# Altium PCB tc377_pcb_rev1.PcbDoc (part 2 of 2)
Units mm, origin at the board's own origin, x right, y up, seen from the top; angles counter-clockwise.
Board outline 133.94 x 51.18 mm, 2 copper layers (Top Layer, Bottom Layer); 100 components, 89 nets, 462 pads, 300 vias.
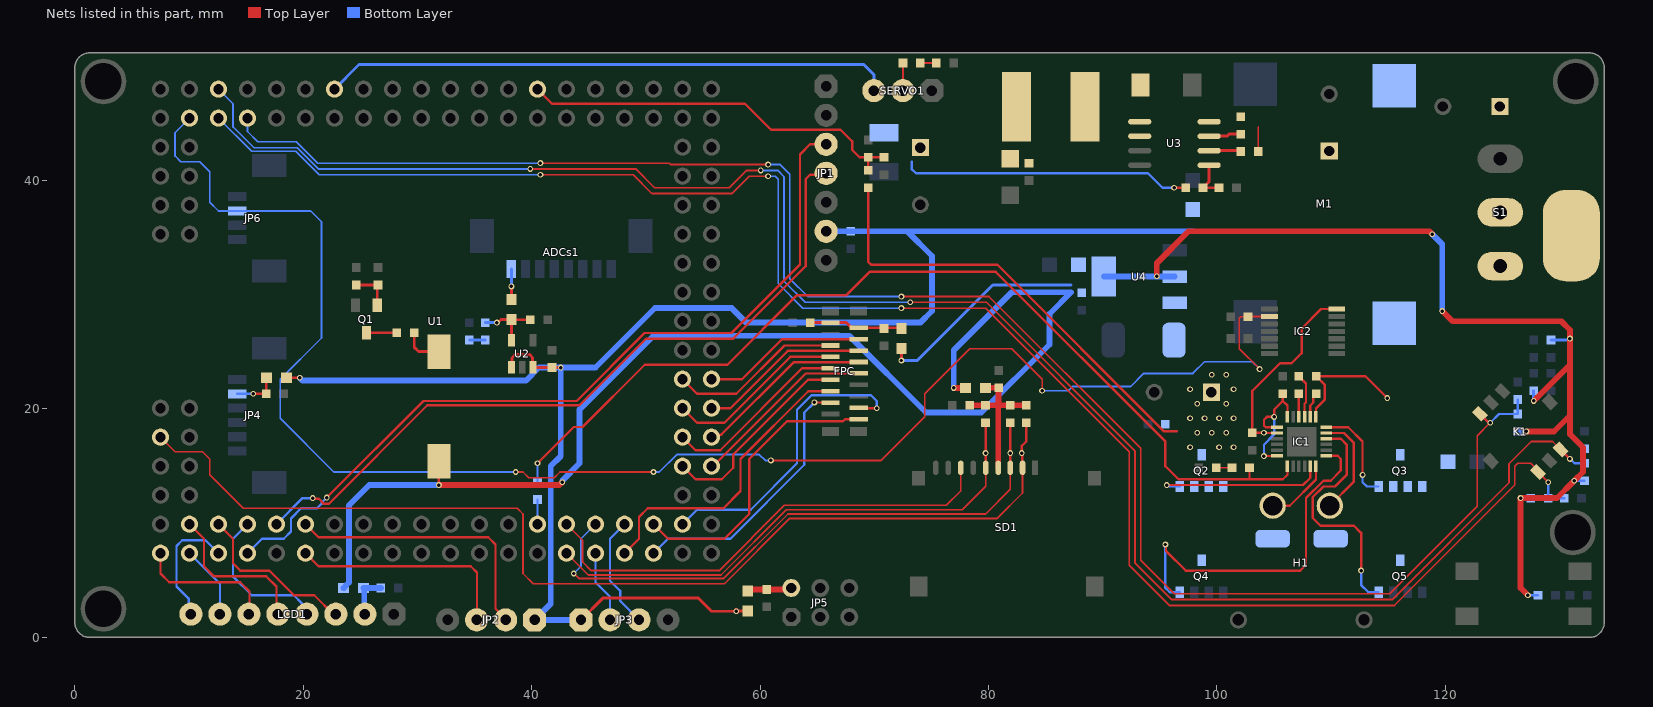
[diagram p2: the nets of this part, all layers, seen from the top]

## Via types
v1: diameter 0.508, hole 0.305, Top Layer to Bottom Layer, tented both sides, 298 vias
v2: diameter 1.1, hole 1.1, Top Layer to Bottom Layer, tented both sides, 1 vias
v3: diameter 0.8, hole 0.8, Top Layer to Bottom Layer, tented both sides, 1 vias

## Nets (pads, with @x,y where several pads share a name; then routed paths per layer and width w, separated by ;. In a path a pad name is that pad's centre, name@x,y a point inside that pad or via, vN(x,y) a via of type N, cw(c..) or ccw(c..) an arc to the next point about the centre after c; other vN are vias at no path point) (continued)
KEY4: C13.1 K1.3 R11.2 U1.34 | length 152.9
  Top Layer w0.152: v1(40.767,41.529) 52.07,41.529 52.197,41.402 v1(60.706,41.402) ; v1(72.39,29.845) 80.05,29.845 93.345,16.55 93.345,6.735 96.27,3.81 115.149,3.81 122.809,11.47 122.809,17.653 123.888,18.733 v1(123.952,18.796)
  Top Layer w0.203: K1.3@123.042,19.579 123.767,18.854 123.894,18.854 v1(123.952,18.796)
  Bottom Layer w0.152: U1.34@15.113,45.466 15.113,44.298 16.002,43.409 19.388,43.409 21.268,41.529 v1(40.767,41.529) ; v1(60.706,41.402) 61.762,41.402 62.611,40.553 62.611,31.409 64.175,29.845 v1(72.39,29.845)
  Bottom Layer w0.203: v1(123.952,18.796) 124.714,19.558 R11.2@126.365,19.558 C13.1@126.365,20.828
KEY5: C14.1 K1.6 R13.2 U1.35 | length 160.5
  Top Layer w0.152: v1(39.878,41.021) 49.105,41.021 50.756,39.37 57.321,39.37 58.845,40.894 v1(60.071,40.894) ; v1(73.152,29.337) 79.839,29.337 92.837,16.339 92.837,6.524 96.059,3.302 115.36,3.302 125.603,13.545 125.603,15.196 127.552,17.145 129.413,17.145 K1.6@129.921,16.637
  Top Layer w0.203: K1.6@130.123,16.458 130.123,16.435 v1(130.937,15.621)
  Bottom Layer w0.152: U1.35@12.573,48.006 13.843,46.736 13.843,44.704 15.679,42.868 19.462,42.868 21.31,41.021 v1(39.878,41.021) ; v1(60.071,40.894) 61.551,40.894 62.103,40.342 62.103,31.198 63.964,29.337 v1(73.152,29.337)
  Bottom Layer w0.203: v1(130.937,15.621) 130.965,15.621 131.346,15.24 R13.2@132.207,15.24 C14.1@132.207,16.51 C14.1@132.207,16.764
KEY6: C15.1 K1.4 R14.2 U1.36 | length 155.9
  Top Layer w0.152: v1(40.767,40.513) 48.895,40.513 50.546,38.862 57.531,38.862 59.055,40.386 v1(60.706,40.386) ; v1(72.39,28.829) 79.756,28.829 92.329,16.256 92.329,6.314 95.849,2.794 115.57,2.794 126.111,13.335 126.111,14.986 126.365,15.24 127.508,15.24 K1.4@128.016,14.732
  Top Layer w0.203: K1.4@128.143,14.478 v1(129.032,13.589)
  Bottom Layer w0.152: U1.36@12.573,45.466 15.475,42.564 19.336,42.564 21.387,40.513 v1(40.767,40.513) ; v1(60.706,40.386) 61.341,40.386 61.595,40.132 61.595,30.988 63.754,28.829 v1(72.39,28.829)
  Bottom Layer w0.203: v1(129.032,13.589) R14.2@129.032,12.192 C15.1@130.429,12.192
M1A: H1.1 IC1.23 P5.1 Q3.1 Q3.2 Q3.3 Q5.5 | length 9.1
  Top Layer w0.203: IC1.23@109.601,17.895 111.137,17.895 112.014,17.018 112.014,13.635 H1.1@109.903,11.524
M1B: H1.2 IC1.18 P6.1 Q2.1 Q2.2 Q2.3 Q4.5 | length 5.9
  Top Layer w0.203: H1.2@104.903,11.524 106.393,11.524 108.692,13.823 IC1.18@108.692,14.986
NetADCs1_1: ADCs1.1 FB1.1 | length 2.7
  Top Layer w0.254: FB1.1@38.227,29.591 v1(38.227,30.734)
  Bottom Layer w0.254: ADCs1.1@38.22,32.258 38.227,32.251 v1(38.227,30.734)
NetBeep1_2: Beep1.2 R9.2 | length 3.6
  Top Layer w0.254: R9.2@29.718,26.67 29.718,25.4 30.099,25.019 Beep1.2@31.877,25.019
NetC1_1: C1.1 FB2.2 LCD1.2 | length 3.9
  Bottom Layer w0.508: LCD1.2@25.4,2.032 25.336,2.095 25.336,4.255 FB2.2@25.273,4.318 C1.1@26.797,4.318
NetC4_2: C4.2 C5.2 FB3.2 R2.2 R3.2 R4.2 SD1.4 | length 13.3
  Top Layer w0.508: C4.2@78.359,20.32 R4.2@79.756,20.32 80.835,20.32 ; FB3.2@79.629,21.857 79.635,21.85 80.893,21.85 C5.2@80.899,21.844 80.899,20.383 80.835,20.32 ; SD1.4@80.861,14.846 80.861,20.295 80.835,20.32 ; R3.2@83.312,20.32 R2.2@81.915,20.32 80.835,20.32
NetC6_1: C6.1 C7.1 FB4.1 FPC.17 FPC.18 | length 8.1
  Top Layer w0.254: C7.1@64.389,27.559 C7.1@64.389,27.559 FPC.18@66.167,27.558 67.589,27.558 68.037,27.11 FPC.17@68.637,27.11 70.866,27.11 72.204,27.11 FB4.1@72.263,27.051
NetC8_2: C8.2 FB5.1 JP4.2 | length 4
  Top Layer w0.203: v1(15.621,21.336) C8.2@16.764,21.336 FB5.1@16.764,22.733
  Bottom Layer w0.203: JP4.2@14.207,21.32 14.224,21.336 v1(15.621,21.336)
NetC9_1: C9.1 FB6.2 JP5.2 | length 3.9
  Top Layer w0.508: FB6.2@58.928,4.051 59.061,4.185 60.579,4.185 62.605,4.185 JP5.2@62.738,4.318
NetC29_1: C29.1 IC1.4 | length 2
  Top Layer w0.203: C29.1@107.188,21.336 107.188,19.308 IC1.4@107.192,19.304
NetC29_2: C29.2 IC1.3 | length 3.9
  Top Layer w0.203: C29.2@107.188,22.86 107.823,22.225 107.823,20.574 107.696,20.447 107.696,19.308 IC1.3@107.692,19.304
NetC30_1: C30.1 IC1.2 | length 2.2
  Top Layer w0.203: IC1.2@108.192,19.304 108.192,20.308 108.458,20.574 108.458,21.082 C30.1@108.712,21.336
NetD1_1: D1.1 R1.1 | length 1.4
  Bottom Layer w0.254: D1.1@34.544,26.035 R1.1@35.941,26.035
NetD2_1: D2.1 R18.2 | length 1.4
  Top Layer w0.203: R18.2@74.041,50.292 D2.1@75.438,50.292
NetD3_2: D3.2 L1.1 U3.5 U3.6
NetD4_1: D4.1 R22.2 | length 1.4
  Top Layer w0.152: D4.1@99.822,14.859 R22.2@101.219,14.859
NetIC1_17: IC1.17 Q2.4 | length 15
  Top Layer w0.203: v1(95.631,13.335) 107.569,13.335 108.192,13.958 IC1.17@108.192,14.986
  Bottom Layer w0.203: v1(95.631,13.335) 95.713,13.335 95.84,13.208 Q2.4@96.774,13.208
NetIC1_19: IC1.19 Q4.4 | length 31.3
  Top Layer w0.203: v1(95.504,8.128) 95.555,8.077 95.555,7.569 97.282,5.842 107.315,5.842 107.823,6.35 107.823,12.192 109.347,13.716 109.982,13.716 110.871,14.605 110.871,15.621 110.597,15.895 IC1.19@109.601,15.895
  Bottom Layer w0.203: v1(95.504,8.128) 95.504,4.318 95.885,3.937 Q4.4@96.774,3.936 Q4.4@96.774,3.936
NetIC1_22: IC1.22 Q5.4 | length 21.4
  Top Layer w0.203: IC1.22@109.601,17.395 110.875,17.395 111.379,16.891 111.379,14.224 110.363,13.208 109.347,13.208 108.415,12.276 108.415,10.457 109.093,9.779 112.014,9.779 112.649,9.144 v1(112.649,5.842)
  Bottom Layer w0.203: v1(112.649,5.842) 112.649,4.572 113.284,3.937 Q5.4@114.173,3.936 Q5.4@114.173,3.936
NetIC1_24: IC1.24 Q3.4 | length 8.8
  Top Layer w0.203: IC1.24@109.601,18.395 111.526,18.395 112.776,17.145 v1(112.776,14.224)
  Bottom Layer w0.203: v1(112.776,14.224) 112.776,13.589 113.157,13.208 Q3.4@114.173,13.208
NetQ1_1: Q1.1 R12.2 R15.1 | length 3.7
  Top Layer w0.254: R12.2@24.638,30.861 R15.1@26.543,30.861 26.477,30.795 Q1.1@26.477,29.07
NetQ1_3: Q1.3 R9.1 | length 2.7
  Top Layer w0.254: Q1.3@25.527,26.67 R9.1@28.194,26.67
NetR19_2: R19.2 U3.2 | length 2.8
  Top Layer w0.254: U3.2@99.332,42.619 102.034,42.619 R19.2@102.108,42.545
NetR20_2: R20.2 U3.3 | length 2.9
  Top Layer w0.254: U3.3@99.332,43.889 100.912,43.889 101.092,44.069 R20.2@102.108,44.069
NetR21_1: R21.1 U1.83 | length 2.2
  Bottom Layer w0.203: U1.83@40.513,9.906 R21.1@40.513,12.065
nSLEEP: IC1.13 R21.2 R22.1 | length 85
  Top Layer w0.203: v1(40.513,15.24) 43.688,18.415 44.45,18.415 49.911,23.876 57.15,23.876 63.246,29.972 67.564,29.972 69.596,32.004 80.645,32.004 95.504,17.145 95.504,14.986 96.647,13.843 102.87,13.843 ; R22.1@102.87,14.859 102.87,13.843 ; IC1.13@106.192,14.986 106.192,14.244 105.791,13.843 102.87,13.843
  Bottom Layer w0.203: R21.2@40.513,13.589 v1(40.513,15.24)
P3V3: Beep1.1 C26.2 C27.2 FB2.1 FB3.1 FB4.2 R7.1 R8.1 R10.1 R11.1 R13.1 R14.1 U4.2 | length 220.5
  Top Layer w0.203: v1(31.877,13.335) Beep1.1@31.877,15.419
  Top Layer w0.254: v1(72.39,24.244) FB4.2@72.39,25.286
  Top Layer w0.508: v1(31.877,13.335) 42.418,13.335 v1(42.672,13.589) ; v1(76.962,21.844) FB3.1@77.991,21.844 ; v1(94.742,31.623) 94.742,32.766 97.536,35.56 118.618,35.56 v1(118.872,35.306) ; v1(119.761,28.575) 120.65,27.686 130.175,27.686 130.937,26.924 v1(130.937,26.162) 130.937,23.876 ; v1(127.127,18.034) 129.54,18.034 130.937,19.431 ; v1(127.254,3.683) 126.619,4.318 v1(126.619,12.192) 129.794,12.192 v1(131.318,13.716) 132.08,14.478 132.08,16.637 130.937,17.78 130.937,19.431 ; v1(127.762,20.701) 130.937,23.876 ; 130.937,19.431 130.937,23.876
  Bottom Layer w0.203: v1(126.619,12.192) R14.1@127.508,12.192 ; v1(127.254,3.683) R7.1@128.143,3.683 ; v1(131.318,13.716) R13.1@132.207,13.716
  Bottom Layer w0.254: v1(72.39,24.244) 73.774,24.244 80.391,30.861 87.249,30.861 ; R11.1@126.365,18.034 v1(127.127,18.034) ; v1(127.762,20.701) R8.1@127.762,21.59 ; R10.1@129.286,26.035 130.741,26.035 130.868,26.162 v1(130.937,26.162)
  Bottom Layer w0.508: FB2.1@23.52,4.318 23.558,4.318 23.749,4.508 23.749,4.552 24.003,4.806 24.003,11.557 25.781,13.335 v1(31.877,13.335) ; v1(42.672,13.589) 42.672,13.716 44.196,15.24 44.196,19.939 50.673,26.416 67.818,26.416 74.549,19.685 79.375,19.685 85.344,25.654 85.344,28.321 87.249,30.226 82.042,30.226 76.962,25.146 v1(76.962,21.844) ; U4.2@90.118,31.589 U4.2@96.318,31.589 ; v1(118.872,35.306) 119.761,34.417 v1(119.761,28.575)
P3V3_DRV: C34.1 IC1.8 IC2.14 | length 17.5
  Top Layer w0.203: IC1.8@105.283,17.895 105.277,17.901 104.146,17.901 v1(104.14,17.907) C34.1@103.124,17.907 103.124,21.59 105.537,24.003 106.553,24.003 107.442,24.892 107.442,27.051 109.138,28.747 IC2.14@110.507,28.747
P3V_Sensor: C2.2 FB1.2 R1.2 U2.5 | length 5.9
  Top Layer w0.254: v1(36.957,27.559) 37.026,27.559 37.305,27.838 FB1.2@38.227,27.838 ; U2.5@38.227,26.035 FB1.2@38.227,27.838 ; C2.2@39.878,27.813 38.252,27.813 FB1.2@38.227,27.838
  Bottom Layer w0.254: R1.2@35.941,27.559 v1(36.957,27.559)
P4V8: C33.1 IC1.6 IC1.7 IC1.12 | length 11.6
  Top Layer w0.203: v1(104.14,15.875) 104.15,15.885 105.273,15.885 IC1.12@105.283,15.895 ; IC1.7@105.283,18.395 104.287,18.395 104.14,18.542 104.14,19.05 104.394,19.304 v1(105.029,19.304) 105.029,19.939 105.791,20.701 ; C33.1@105.791,21.336 105.791,20.701 ; IC1.6@106.192,19.304 106.192,20.3 105.791,20.701
  Bottom Layer w0.203: v1(104.14,15.875) 104.14,16.869 105.029,17.758 v1(105.029,19.304)
P5V: C3.1 C23.1 C24.2 C25.2 FB5.2 FB6.1 JP1.6 JP2.1 JP3.1 M1.3 U2.1 U2.3 U4.3 | length 149.4
  Top Layer w0.254: FB5.2@18.517,22.733 v1(19.685,22.733) ; U2.1@38.227,23.635 38.273,23.681 38.273,24.467 38.571,24.765 39.834,24.765 40.081,24.518 40.081,23.681 U2.3@40.127,23.635 40.14,23.622 C3.1@41.783,23.622 v1(42.545,23.622) ; JP3.1@44.323,1.524 46.228,3.429 54.61,3.429 55.753,2.286 v1(57.912,2.286) ; v1@57.925,2.299 FB6.1@58.928,2.299
  Top Layer w0.508: v1(57.912,2.286) v1@57.925,2.299
  Bottom Layer w0.508: v1(19.685,22.733) 19.939,22.479 39.497,22.479 40.64,23.622 v1(42.545,23.622) ; JP3.1@44.323,1.524 JP2.1@40.259,1.524 41.669,2.934 41.669,14.993 42.545,15.868 v1(42.545,23.622) ; JP1.6@65.786,35.56 C25.2@67.945,35.56 72.898,35.56 ; 97.917,35.56 72.898,35.56 ; v1(42.545,23.622) 45.593,23.622 50.813,28.842 56.232,28.842 56.245,28.829 57.531,28.829 58.801,27.559 74.041,27.559 75.057,28.575 75.057,33.401 72.898,35.56
P6V_servo: C18.1 C19.1 C20.1 C21.1 L1.2 R17.1 R18.1 SERVO1.2 | length 27.7
  Top Layer w0.203: SERVO1.2@72.517,47.879 R18.1@72.517,50.292
  Top Layer w0.254: v1(96.266,39.37) R17.1@97.282,39.37
  Bottom Layer w0.203: 73.279,41.656 73.279,41.021 73.66,40.64 93.98,40.64 95.25,39.37 v1(96.266,39.37)
PLCK: FPC.1 U1.91 | length 25.7
  Top Layer w0.203: U1.91@50.673,9.906 51.943,8.636 56.896,8.636 59.055,10.795 59.055,15.621 62.357,18.923 67.277,18.923 67.464,19.11 FPC.1@68.637,19.11
PMAIN: C16.1 C17.1 C22.1 C30.2 C31.1 C32.1 IC1.1 M1.2 Q2.5 Q3.5 R5.1 R19.1 R20.1 S1.1 U3.4 | length 53
  Top Layer w0.152: R19.1@103.632,42.545 103.632,44.704
  Top Layer w0.203: R5.1@69.469,39.37 69.469,32.893 69.723,32.639 80.772,32.639 95.377,18.034 96.52,18.034 ; IC1.1@108.692,19.304 108.692,20.046 109.474,20.828 109.474,22.098 C30.2@108.712,22.86 113.03,22.86 v1(114.935,20.955)
  other v1: 97.663,16.637 100.203,16.637 101.473,16.637 98.298,17.907 99.568,17.907 100.838,17.907 97.663,19.177 98.933,19.177 100.203,19.177 101.473,19.177 98.298,20.447 100.838,20.447 97.663,21.717 101.473,21.717 99.568,22.987 100.838,22.987
PVIN: P1.1 S1.2
PWM: IC2.2 JP6.2 R24.1 U1.38 | length 144.9
  Top Layer w0.152: v1(38.608,14.478) 39.243,14.478 39.751,13.97 41.974,13.97 42.482,14.478 v1(50.673,14.478) ; v1(60.96,15.494) 70.612,15.494 74.422,19.304 74.422,21.336 78.359,25.273 82.042,25.273 84.709,22.606 v1@84.709,21.593 ; R24.1@102.743,28.067 102.108,28.067 101.981,27.94 101.981,25.273 v1(103.759,23.495)
  Top Layer w0.203: R24.1@102.743,28.067 102.773,28.097 IC2.2@104.631,28.097
  Bottom Layer w0.152: U1.38@10.033,45.466 8.763,44.196 8.763,42.164 9.271,41.656 10.922,41.656 11.811,40.767 11.811,38.1 12.569,37.342 JP6.2@14.207,37.342 14.211,37.338 20.651,37.338 21.59,36.399 21.59,26.212 17.983,22.605 17.983,19.178 22.683,14.478 v1(38.608,14.478) ; v1(50.673,14.478) 51.181,14.478 52.705,16.002 59.944,16.002 60.452,15.494 v1(60.96,15.494) ; v1(84.709,21.59) 86.995,21.59 87.376,21.971 92.456,21.971 93.599,23.114 97.917,23.114 98.933,24.13 103.124,24.13 v1(103.759,23.495)
SCL: FPC.3 U1.93 | length 26.9
  Top Layer w0.203: FPC.3@68.637,20.11 68.681,20.066 v1(70.231,20.066)
  Bottom Layer w0.203: U1.93@53.213,9.906 54.483,11.176 59.182,11.176 63.246,15.24 63.246,19.939 64.516,21.209 69.723,21.209 70.231,20.701 v1(70.231,20.066)
SDA: FPC.4 U1.92 | length 23.6
  Top Layer w0.203: v1(64.77,20.574) 64.778,20.566 66.159,20.566 FPC.4@66.167,20.558
  Bottom Layer w0.203: U1.92@50.673,7.366 51.943,8.636 57.404,8.636 63.881,15.113 63.881,19.685 v1(64.77,20.574)
SERVO_PWM: SERVO1.3 U1.27 | length 49.9
  Bottom Layer w0.254: U1.27@22.733,48.006 24.892,50.165 69.088,50.165 69.977,49.276 SERVO1.3@69.977,47.879
TF_CS: R3.1 SD1.2 U1.52 | length 94.3
  Top Layer w0.152: U1.52@7.493,17.526 8.763,16.256 11.176,16.256 11.811,15.621 11.811,14.224 14.732,11.303 38.735,11.303 39.243,10.795 39.243,8.255 39.243,5.588 40.132,4.699 56.896,4.699 62.611,10.414 80.772,10.414 82.994,12.636 SD1.2@82.994,14.846
  Top Layer w0.203: SD1.2@82.994,14.846 82.963,14.878 82.963,16.097 v1(82.931,16.129) 82.931,16.764 83.312,17.145 R3.1@83.312,18.796
TF_DI: R2.1 SD1.3 U1.87 | length 52.6
  Top Layer w0.152: v1(43.688,5.588) 44.12,5.156 56.814,5.156 62.453,10.795 79.756,10.795 81.928,12.967 SD1.3@81.928,14.846
  Top Layer w0.203: R2.1@81.915,18.796 81.928,18.783 SD1.3@81.928,14.846
  Bottom Layer w0.152: v1(43.688,5.588) 44.323,6.223 44.323,8.636 U1.87@45.593,9.906
  other v1: 81.915,16.129
TF_DO: SD1.7 U1.85 | length 42.3
  Top Layer w0.152: U1.85@43.053,9.906 44.45,8.509 44.45,6.604 45.212,5.842 56.423,5.842 62.138,11.557 76.327,11.557 77.584,12.814 SD1.7@77.584,14.846
TF_SCLK: R4.1 SD1.5 U1.86 | length 46.3
  Top Layer w0.152: U1.86@43.053,7.366 44.958,5.461 56.58,5.461 62.295,11.176 77.724,11.176 79.769,13.221 SD1.5@79.769,14.846
  Top Layer w0.203: R4.1@79.756,18.796 79.769,18.783 79.769,16.129 SD1.5@79.769,14.846
  other v1: 79.756,16.129
TFT_BLK: LCD1.8 U1.62 | length 10.9
  Bottom Layer w0.203: LCD1.8@10.16,2.032 9.982,2.21 9.982,3.353 8.89,4.445 8.89,8.001 9.398,8.509 11.43,8.509 U1.62@12.573,7.366
TFT_CS: LCD1.7 U1.60 | length 6.4
  Bottom Layer w0.203: U1.60@10.033,7.366 12.7,4.699 LCD1.7@12.7,2.032
TFT_DC: LCD1.6 U1.58 | length 12.2
  Top Layer w0.203: U1.58@7.493,7.366 7.493,5.588 8.255,4.826 14.478,4.826 15.283,4.021 15.283,2.075 LCD1.6@15.24,2.032
TFT_RES: LCD1.5 U1.59 | length 13.8
  Top Layer w0.203: U1.59@10.033,9.906 11.303,8.636 11.303,6.223 12.192,5.334 16.764,5.334 17.653,4.445 17.653,2.159 LCD1.5@17.78,2.032
TFT_SCL: LCD1.3 U1.61 | length 14.8
  Top Layer w0.203: U1.61@12.573,9.906 13.843,8.636 13.843,6.477 14.478,5.842 17.018,5.842 19.177,3.683 20.955,3.683 22.606,2.032 LCD1.3@22.86,2.032
TFT_SDA: LCD1.4 U1.63 | length 13.2
  Bottom Layer w0.203: U1.63@15.113,9.906 13.843,8.636 13.843,5.334 15.494,3.683 19.164,3.683 19.837,3.01 20.32,2.527 LCD1.4@20.32,2.032
UART_2.4G_RX: JP1.4 U1.65 | length 65.7
  Top Layer w0.203: v1(20.828,12.192) 20.886,12.134 21.375,12.134 21.825,11.684 22.225,11.684 30.861,20.32 44.196,20.32 50.038,26.162 57.658,26.162 64.008,32.512 64.008,40.132 64.389,40.513 65.659,40.513 JP1.4@65.786,40.64
  Bottom Layer w0.203: U1.65@17.653,9.906 19.939,12.192 v1(20.828,12.192)
UART_2.4G_TX: JP1.3 U1.64 | length 71.9
  Top Layer w0.203: v1(22.056,12.234) 30.524,20.701 43.942,20.701 49.886,26.645 57.506,26.645 63.5,32.639 63.5,42.291 64.389,43.18 JP1.3@65.786,43.18
  Bottom Layer w0.203: U1.64@15.113,7.366 16.383,8.636 18.288,8.636 18.923,9.271 18.923,10.414 19.812,11.303 21.209,11.303 21.603,11.697 21.603,11.781 v1(22.056,12.234)
UART_DBG_RX: JP2.3 U1.68 | length 19.9
  Top Layer w0.203: U1.68@20.193,7.366 21.336,6.223 34.671,6.223 35.222,5.672 35.222,1.567 JP2.3@35.179,1.524
UART_DBG_TX: JP2.2 U1.67 | length 24.3
  Top Layer w0.203: U1.67@20.193,9.906 21.336,8.763 36.195,8.763 36.83,8.128 36.83,2.503 37.719,1.614 JP2.2@37.719,1.524
UART_IMG_RX: JP3.3 U1.89 | length 10
  Bottom Layer w0.203: U1.89@48.133,9.906 46.863,8.636 46.863,4.953 47.752,4.064 47.752,3.175 JP3.3@49.403,1.524
UART_IMG_TX: JP3.2 U1.88 | length 6.4
  Bottom Layer w0.203: U1.88@45.593,7.366 45.593,4.826 46.863,3.556 JP3.2@46.863,1.524
VBAT: C28.2 R5.2 R6.1 U1.13 | length 34.4
  Top Layer w0.203: U1.13@40.513,48.006 41.783,46.736 58.674,46.736 60.96,44.45 67.056,44.45 68.072,43.434 68.072,42.672 68.707,42.037 R6.1@69.469,42.037 ; R5.2@69.469,40.894 R6.1@69.469,42.037 ; C28.2@70.866,42.037 R6.1@69.469,42.037
Vservo_fb: R16.1 R17.2 U3.1 | length 3.6
  Top Layer w0.254: U3.1@99.332,41.349 99.332,39.896 R17.2@98.806,39.37 R16.1@100.203,39.37
VSYN: FPC.6 U1.90 | length 26.7
  Top Layer w0.203: U1.90@48.133,7.366 49.403,8.636 49.403,10.541 50.165,11.303 56.794,11.303 58.293,12.802 58.293,15.621 64.23,21.558 FPC.6@66.167,21.558
Y0: FPC.8 U1.99 | length 17.7
  Top Layer w0.203: U1.99@53.213,14.986 54.356,13.843 56.642,13.843 57.658,14.859 57.658,16.002 64.214,22.558 FPC.8@66.167,22.558
Y1: FPC.9 U1.100 | length 16.2
  Top Layer w0.203: U1.100@55.753,14.986 55.88,14.986 63.998,23.104 68.631,23.104 FPC.9@68.637,23.11
Y2: FPC.10 U1.101 | length 16.4
  Top Layer w0.203: U1.101@53.213,17.526 54.356,16.383 56.515,16.383 63.69,23.558 FPC.10@66.167,23.558
Y3: FPC.11 U1.102 | length 15.6
  Top Layer w0.203: U1.102@55.753,17.526 55.978,17.751 56.613,17.751 62.966,24.104 68.631,24.104 FPC.11@68.637,24.11
Y4: FPC.12 U1.103 | length 15.9
  Top Layer w0.203: U1.103@53.213,20.066 54.483,18.796 56.896,18.796 62.658,24.558 FPC.12@66.167,24.558
Y5: FPC.13 U1.104 | length 15
  Top Layer w0.203: U1.104@55.753,20.066 57.404,20.066 62.442,25.104 68.631,25.104 FPC.13@68.637,25.11
Y6: FPC.14 U1.105 | length 15.2
  Top Layer w0.203: U1.105@53.213,22.606 54.483,21.336 57.912,21.336 62.134,25.558 FPC.14@66.167,25.558
Y7: FPC.15 U1.106 | length 14.3
  Top Layer w0.203: U1.106@55.753,22.606 58.42,22.606 61.918,26.104 68.631,26.104 FPC.15@68.637,26.11
pads on no net: ADCs1.MP1 ADCs1.MP2 FPC.0 FPC.5 H1.0 IC1.9 IC1.10 IC1.11 IC2.8 IC2.9 IC2.10 IC2.11 IC2.12 IC2.13 JP1.5 JP4.0 JP5.5 JP5.6 JP6.0 JP6.4 K1.0 S1.3 SD1.0 SD1.1 SD1.8 SD1.9 U1.1 U1.2 U1.3 U1.4 U1.5 U1.6 U1.14 U1.15 U1.16 U1.17 U1.18 U1.19 U1.20 U1.21 U1.22 U1.23 U1.24 U1.25 U1.26 U1.29 U1.30 U1.37 U1.40 U1.41 U1.42 U1.43 U1.44 U1.45 U1.46 U1.47 U1.48 U1.49 U1.50 U1.51 U1.53 U1.66 U1.69 U1.70 U1.71 U1.72 U1.73 U1.74 U1.75 U1.76 U1.77 U1.78 U1.79 U1.80 U1.81 U1.82 U1.84 U1.94 U1.95 U1.96 U1.97 U1.107 U1.109 U1.110 U1.111 U1.112 U1.113 U1.114 U1.115 U1.116 U1.117 U1.118 U1.119 U1.120 U1.121 U1.122 U2.4
copper on no net:
  other v2: 125.245,16.68
  other v3: 127.932,19.367

## Polygon pours and split planes (outlines as drawn)
GND on Top Layer "GND_L01_P016" (solid, remove dead copper, pour order 16): 0,51.181 0,0 133.985,0 133.985,51.181
PVIN on Top Layer "PVIN_L01_P012" (solid, pour order 12): 122.555,38.608 122.555,36.195 123.571,35.179 127.254,35.179 128.143,34.29 128.143,31.242 129.54,29.845 133.985,29.845 133.985,39.624 123.571,39.624
PMAIN on Top Layer "PMAIN_L01_P010" (solid, pour order 10): 107.696,44.577 108.585,43.688 108.585,41.783 108.966,41.402 110.744,41.402 111.125,41.783 111.125,43.561 111.506,43.942 118.618,43.942 119.761,42.799 119.761,34.29 119.634,34.163 122.047,34.163 122.047,42.926 122.809,43.688 125.984,43.688 126.365,44.069 126.365,47.117 125.73,47.752 123.698,47.752 123.19,47.244 123.19,45.847 122.936,45.593 104.14,45.593 103.505,46.228 99.314,46.228 98.679,45.593 98.171,45.593 98.044,45.466 98.044,44.704 98.171,44.577
PMAIN on Top Layer "PMAIN_L01_P009" (solid, pour order 9): 102.489,19.177 102.489,22.987 100.076,25.4 100.076,29.21 101.219,30.353 127,30.353 127.635,30.988 127.635,33.528 126.746,34.417 98.425,34.417 96.393,32.385 96.393,21.209 96.393,16.637 97.282,15.748 101.727,15.748 102.489,16.51
P6V_servo on Top Layer "P6V_SERVO_L01_P004" (solid, pour order 4): 80.772,43.307 80.772,41.148 81.026,40.894 83.947,40.894 84.201,41.148 84.201,43.307 83.82,43.688
GND on Top Layer "GND_L01_P003" (solid, pour order 3): 79.883,39.243 81.407,40.767 89.662,40.767 92.075,43.18 94.742,43.18 94.996,43.434 94.996,47.879 97.028,49.911 98.933,49.911 99.314,49.53 99.314,46.228 98.806,45.72 98.298,45.72 98.044,45.466 98.044,41.021 97.409,40.386 94.996,40.386 92.202,37.592 76.327,37.592 75.438,36.703 72.39,36.703 71.755,37.338 71.755,38.735 72.263,39.243
P6V_servo on Top Layer "P6V_SERVO_L01_P001" (solid, pour order 1): 80.772,49.784 77.089,46.101 74.422,46.101 73.787,46.736 73.787,48.641 73.279,49.149 71.755,49.149 71.247,48.641 71.247,46.482 72.898,44.831 72.898,42.037 73.152,41.783 75.057,41.783 75.311,42.037 75.311,42.799 75.692,43.18 81.026,43.18 83.82,43.18 84.074,43.434 84.074,49.403 83.693,49.784
NetD3_2 on Top Layer "NETD3_2_L01_P000" (solid, pour order 0): 91.694,43.053 91.948,43.307 94.488,43.307 94.869,43.688 94.869,49.276 94.488,49.657 86.995,49.657 86.868,49.53 86.868,43.434 87.249,43.053
P5V on Bottom Layer "P5V_L02_P018" (solid, pour order 18): 94.742,29.591 95.631,30.48 97.536,30.48 97.917,30.861 97.917,34.417 96.774,35.56 96.774,38.1 97.155,38.481 102.87,38.481 107.061,34.29 116.586,34.29 117.729,33.147 117.729,25.654 117.348,25.273 113.919,25.273 113.411,25.781 113.411,30.48 112.268,31.623 102.616,31.623 97.79,26.797 97.79,24.765 97.282,24.257 95.25,24.257 94.742,24.765
PMAIN on Bottom Layer "PMAIN_L02_P017" (solid, pour order 17): 121.793,32.004 121.793,35.179 113.538,43.434 113.538,50.165 113.792,50.419 117.475,50.419 117.856,50.038 117.856,45.974 123.444,40.386 127,40.386 128.524,38.862 128.524,31.877
GND on Bottom Layer "GND_L02_P015" (solid, pour order 15): 0,51.181 0,0 133.985,0 133.985,51.181
P6V_servo on Bottom Layer "P6V_SERVO_L02_P002" (solid, pour order 2): 69.469,45.339 69.215,45.085 71.247,47.117 71.247,48.641 71.755,49.149 73.279,49.149 73.787,48.641 73.787,45.212 73.787,44.958 75.057,43.688 75.057,41.783 74.676,41.402 73.152,41.402 72.136,42.418 69.469,42.418 68.961,42.926 68.961,44.831 69.85,45.72
P3V3 on Bottom Layer "P3V3_L02_P014" (solid, pour order 14): 86.868,33.274 87.249,33.655 91.059,33.655 91.186,33.528 91.186,29.845 87.249,29.845 86.868,30.226
PMAIN on Bottom Layer "PMAIN_L02_P008" (solid, pour order 8): 112.903,19.812 121.793,28.702 121.793,33.274 122.682,34.163 127.635,34.163 128.397,33.401 128.397,28.702 121.412,21.717 121.412,14.605 121.031,14.224 113.792,14.224 112.903,15.113
PMAIN on Bottom Layer "PMAIN_L02_P007" (solid, pour order 7): 94.742,19.558 98.933,23.749 102.489,23.749 102.997,23.241 102.997,15.367 102.108,14.478 95.25,14.478 94.742,14.986
M1A on Bottom Layer "M1A_L02_P006" (solid, pour order 6): 119.108,6.184 119.108,10.085 118.618,10.575 118.618,14.003 114.841,14.003 113.698,12.86 108.967,12.86 107.951,11.844 107.951,7.78 108.586,7.145 110.999,7.145 113.031,5.113 119.127,5.113
M1B on Bottom Layer "M1B_L02_P005" (solid, pour order 5): 95.904,6.278 95.904,10.179 97.409,11.684 97.409,14.097 102.235,14.097 103.378,12.954 106.045,12.954 107.061,11.938 107.061,7.874 106.426,7.239 104.013,7.239 101.981,5.207 95.885,5.207

## Keep-outs
Keep-Out Layer:
  lines w0.254: 0,1.27 ccw(c1.27,1.27) 1.27,0 2.413,0 131.064,0 132.667,0 ccw(c132.667,1.27) 133.937,1.27 133.937,2.873 133.937,48.768 133.937,49.911 ccw(c132.667,49.911) 132.667,51.181 131.318,51.181 2.794,51.181 1.27,51.181 ccw(c1.27,49.911) 0,49.911 0,48.133 0,2.413 0,1.27

## Other copper
Top Layer:
  rectangle net GND: 99.187,46.482 104.648,49.403
  pour cut-out: 122.047,43.688 122.047,29.591 134.112,29.591 134.112,43.688
  pour cut-out: 71.247,51.181 71.247,36.068 104.14,36.068 104.14,51.181
  pour cut-out: 65.265,29.127 65.265,17.399 69.596,17.399 69.596,29.083 69.088,29.083
  text "2021杭电信工 / 氢 气 球 一 队" at 116.332,23.368 h2.03
Bottom Layer:
  pour cut-out: 122.301,40.386 122.301,47.625 127.254,47.625 127.254,40.386
  pour cut-out: 79.375,49.784 79.375,43.053 94.742,43.053 94.742,49.784

## Silkscreen, mask and mechanical layers (free items; w line width, h text height)
Top Overlay:
  text "PWM" at 67.819,49.53 h1.78
  text "G" at 77.216,47.14 h2.54
  text "®" at 116.967,35.604 h3.56
  text "5V" at 61.343,34.823 h2.54
  text "E" at 95.504,34.163 h30.48
  text "G" at 62.357,32.154 h2.54
  text "TerayTech 2021" at 71.758,32.101 h3.81
  text "TFT LCD" at 9.018,3.701 h2.03
  text "G" at 32.004,3.452 h2.54
  text "5V" at 39.626,3.454 h2.54
  text "R" at 34.673,3.429 h2.54
  text "T" at 37.34,3.429 h2.54
  text "5V" at 43.309,3.2 h2.54
  text "G" at 51.308,3.198 h2.54
  text "T" at 46.357,3.175 h2.54
  text "R" at 48.897,3.175 h2.54
Bottom Overlay:
  text "H" at 90.678,0.381 h25.4
Top Solder:
  lines w0.762: 100.33,45.212 123.531,45.212 124.801,46.482
  lines w2.54: 99.187,20.574 99.187,21.971 98.298,22.86 98.298,31.242 99.568,32.512 124.841,32.512
  text "2021杭电信工 / 氢 气 球 一 队" at 116.332,23.368 h2.03
Bottom Solder:
  region: 110.107,0.531 110.107,4.976 104.773,4.976 104.773,0.531
  rectangle: 129.159,34.163 133.604,39.497
  rectangle: 129.159,39.37 133.604,44.704
  rectangle: 106.172,15.875 108.712,18.415
  lines w2.54: 97.79,9.017 97.79,9.525 99.695,11.43 ; 99.314,12.319 100.109,11.524 104.903,11.524 ; 99.441,8.636 99.441,10.033 100.711,11.303 ; 109.903,11.524 112.047,11.524 113.157,10.414 117.348,10.414 ; 116.713,9.652 116.713,12.446 ; 117.094,18.415 117.094,20.447 124.841,28.194 124.841,32.512
Drill Drawing:
  text ".LEGEND" at 132.841,52.617 h1.52

## Text inside footprints (layer, text, board x,y; h text height)
C16: Top Overlay "+" at 126.873,46.99 h0.76 r180; Mechanical 5 "+" at 127.025,47.015 h1.02 r180
C17: Top Overlay "+" at 110.363,40.513 h0.76 r90; Mechanical 5 "+" at 110.388,40.361 h1.02 r90
C18: Top Overlay "+" at 73.533,44.958 h0.76 r270; Mechanical 5 "+" at 73.508,45.11 h1.02 r270
C22: Top Overlay "+" at 101.6,21.971 h0.76 r180; Mechanical 5 "+" at 101.752,21.996 h1.02 r180
JP5: Top Overlay "1" at 62.103,5.969 h1.27; Top Overlay "2" at 61.849,8.128 h1.27; Top Overlay "5" at 67.945,5.969 h1.27; Top Overlay "6" at 67.945,8.255 h1.27
M1: Bottom Overlay "TTNB" at 111.506,45.529 h7.62 r90